# Altium PCB 峰值检测.PcbDoc
Units mm, origin at the board's own origin, x right, y up, seen from the top; angles counter-clockwise.
Board outline 44 x 39 mm, 2 copper layers (Top Layer, Bottom Layer); 18 components, 10 nets, 46 pads, 5 vias.
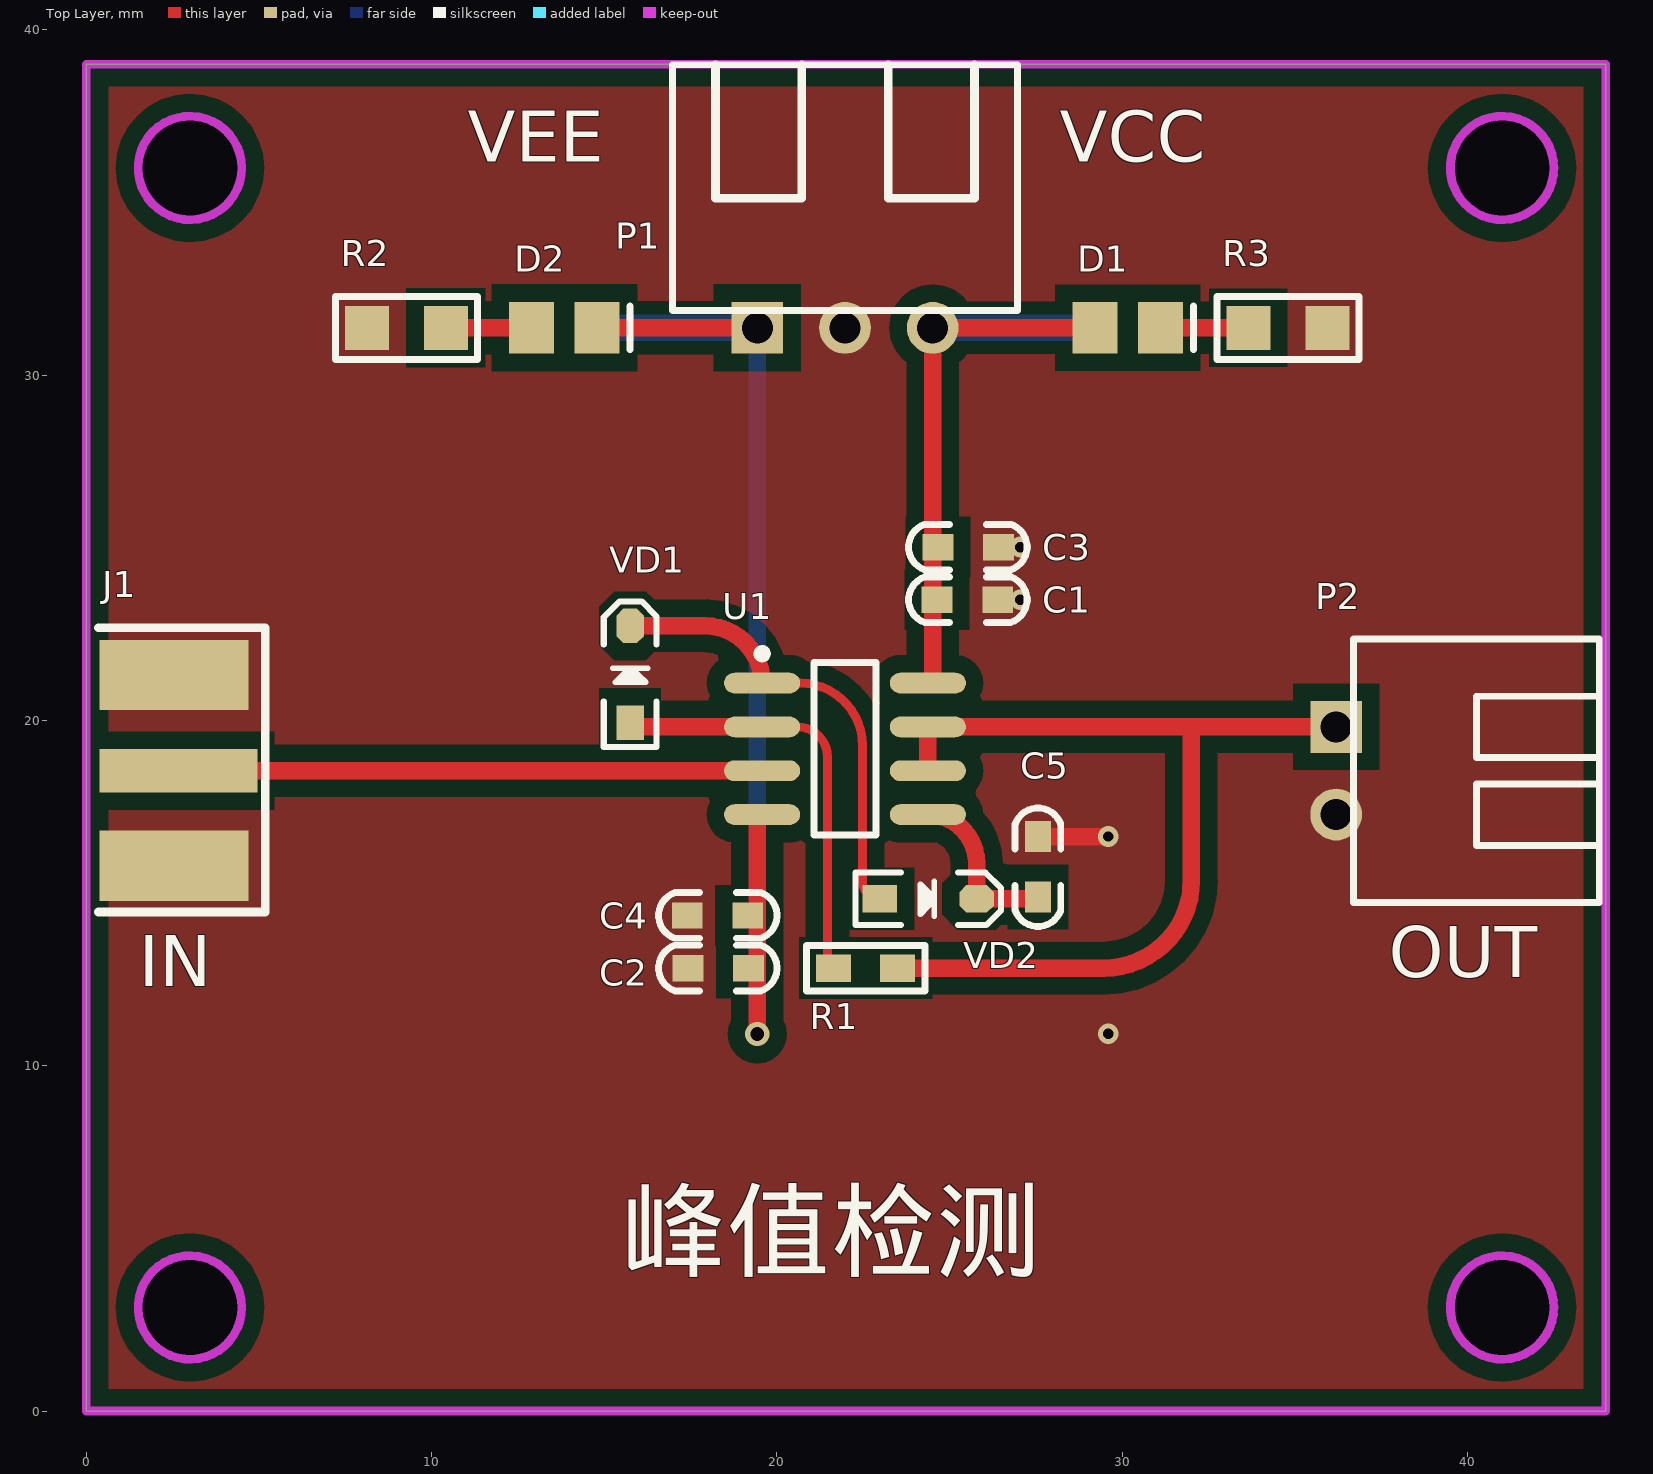
[diagram p0: Top Layer view]
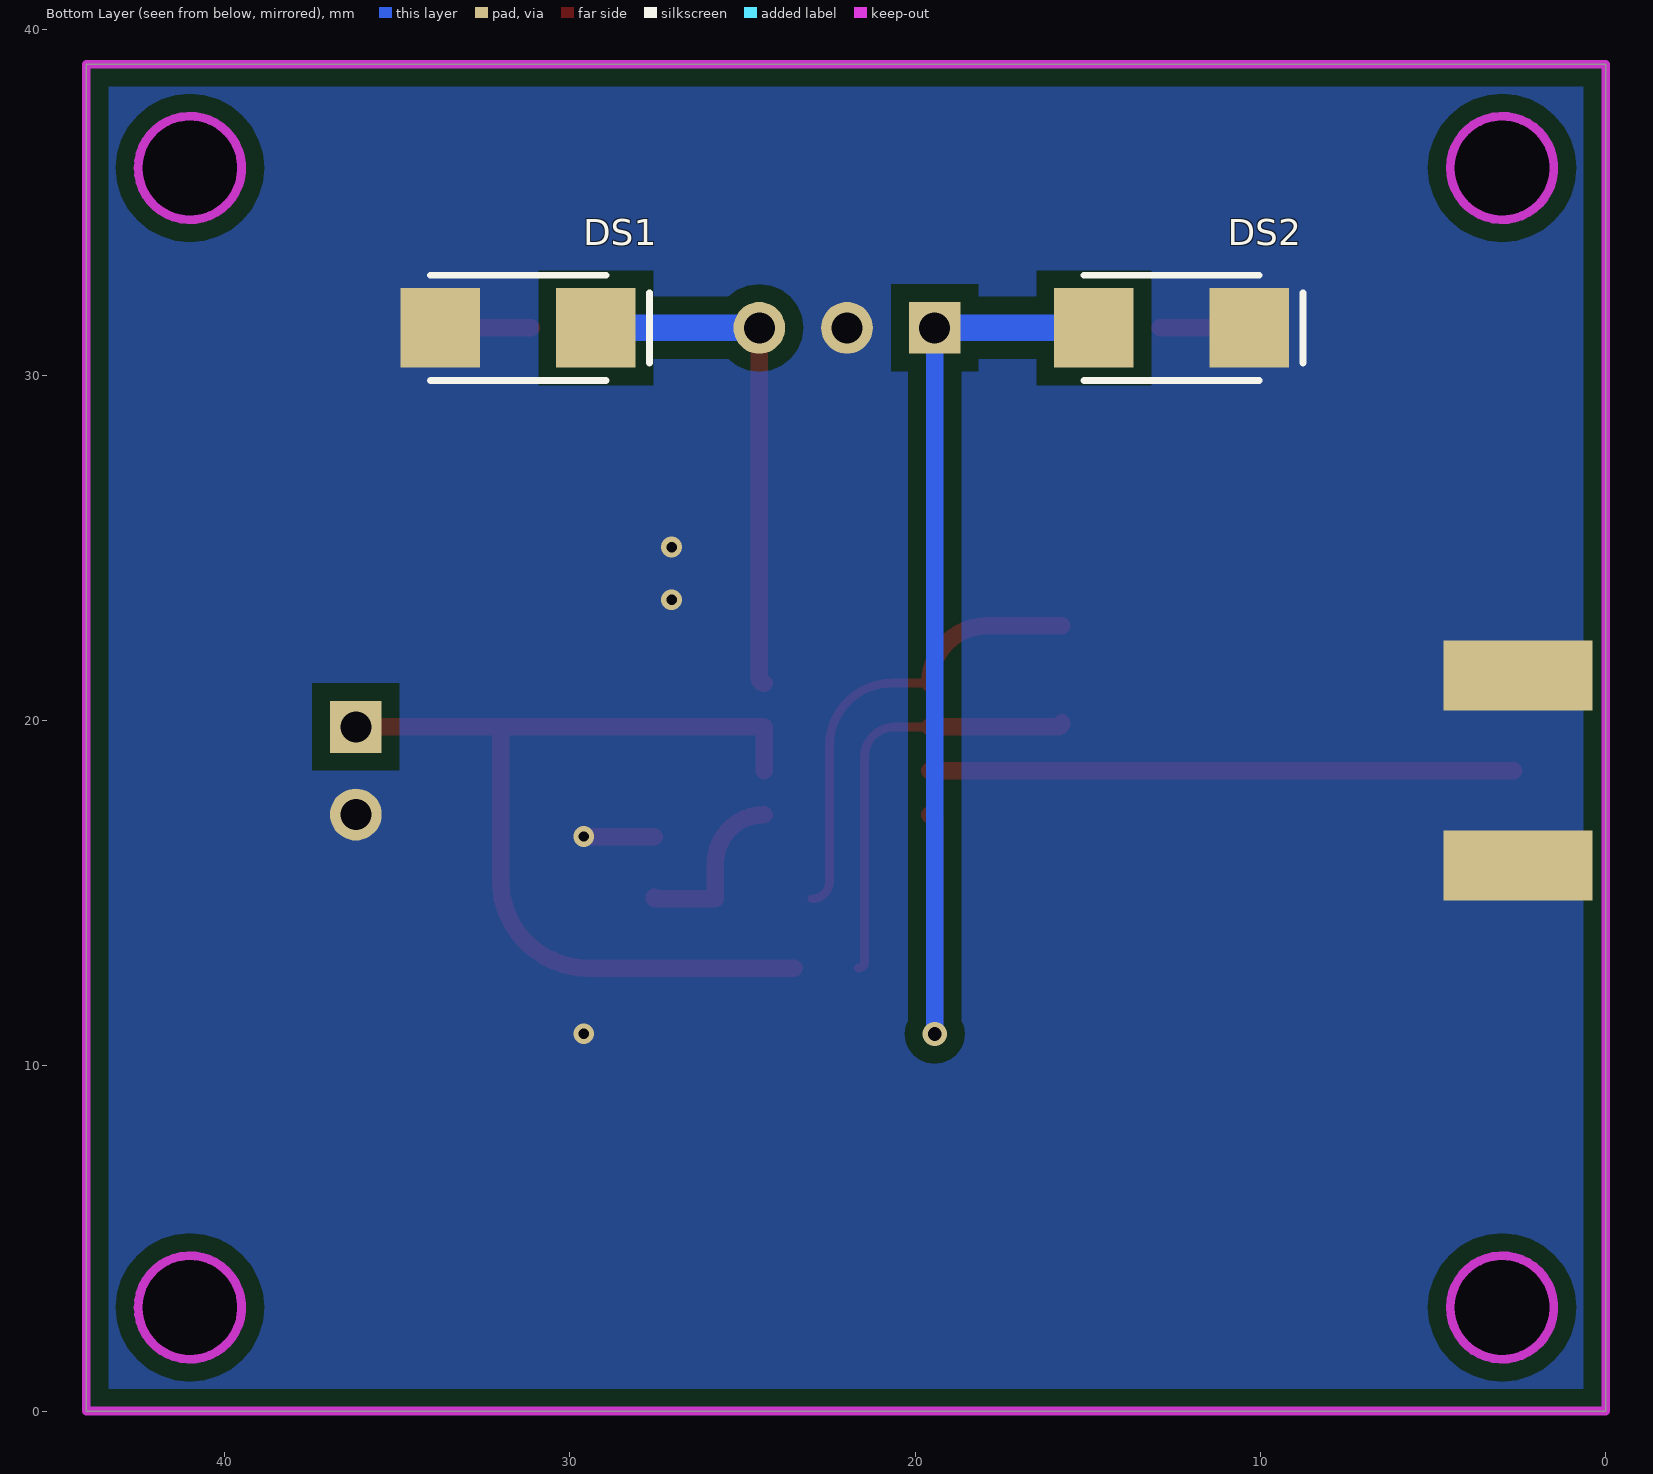
[diagram p1: Bottom Layer view, seen from below]
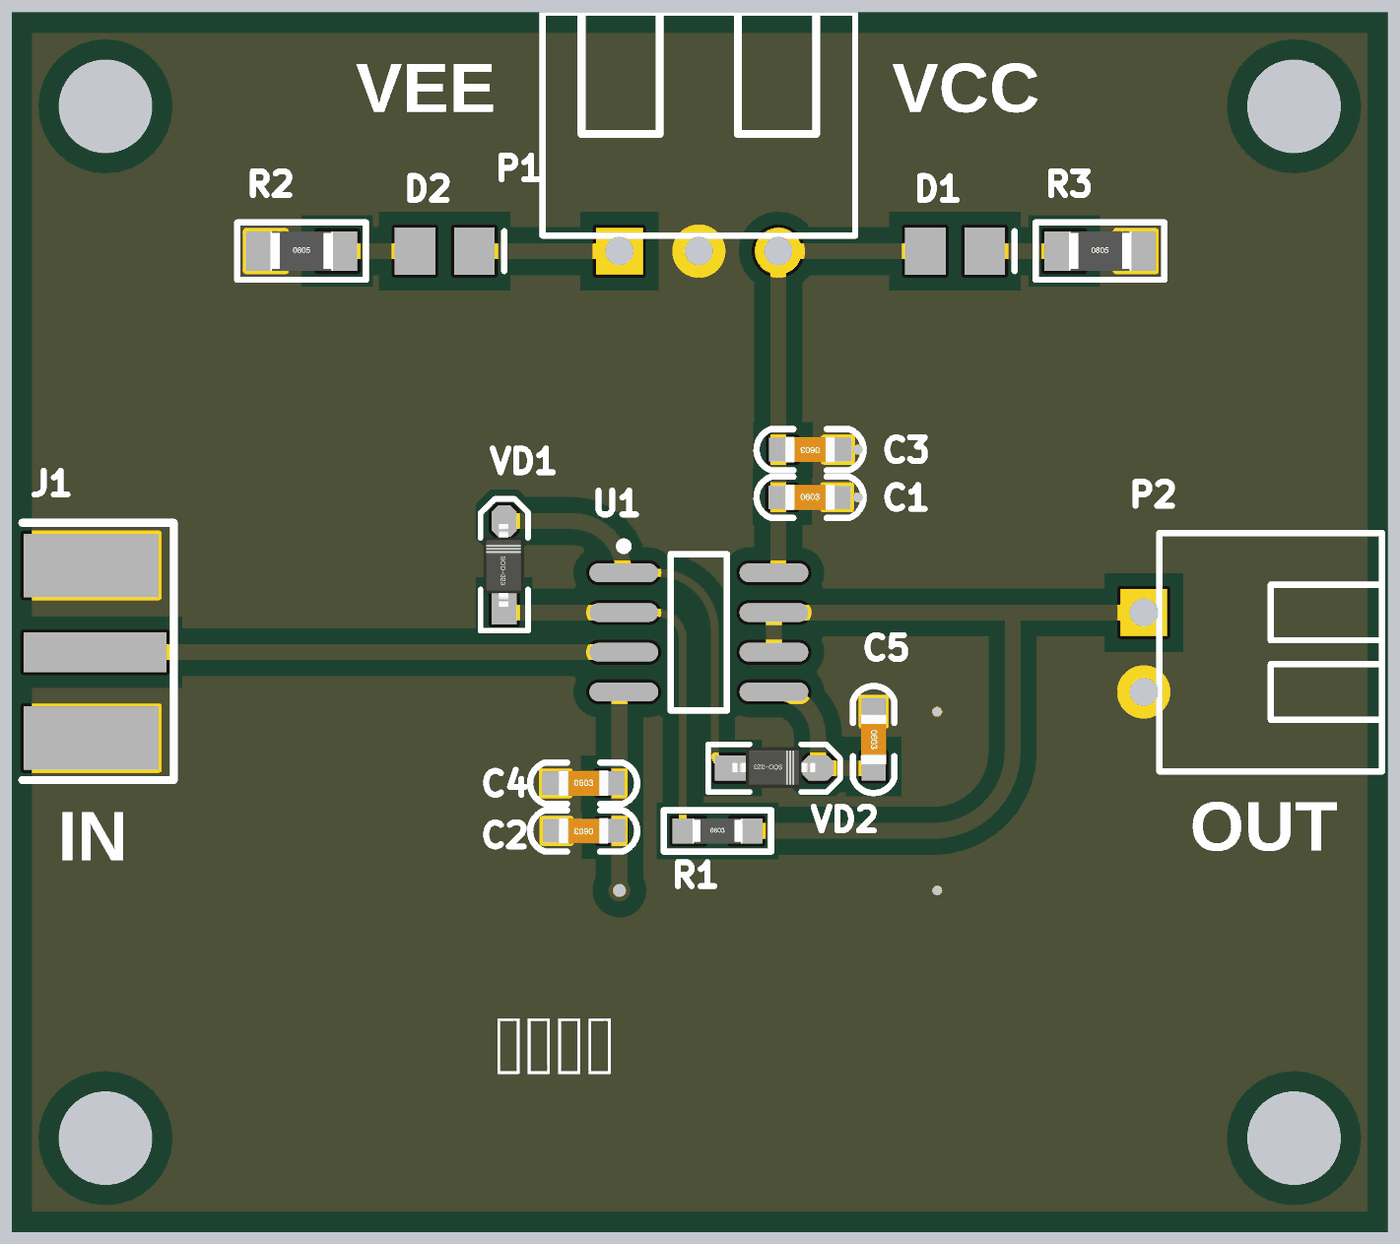
[diagram p2: 3D render of the assembled board from above, using the file's embedded part models]

## Layer stack, top to bottom
Top Solder: solder mask 0.0102, Solder Resist, Dk 3.5
Top Layer: signal copper 0.0356
Dielectric 1: dielectric 0.32, FR-4, Dk 4.8
Bottom Layer: signal copper 0.0356
Bottom Solder: solder mask 0.0102, Solder Resist, Dk 3.5

## Board outline
0,0 44,0 44,39 0,39
cut-out: 39.5,36 ccw(c41,36) 41,34.5 ccw(c41,36) 42.5,36 ccw(c41,36) 41,37.5 ccw(c41,36)
cut-out: 3,34.5 cw(c3,36) 1.5,36 cw(c3,36) 3,37.5 cw(c3,36) 4.5,36 cw(c3,36)
cut-out: 39.5,3 ccw(c41,3) 41,1.5 ccw(c41,3) 42.5,3 ccw(c41,3) 41,4.5 ccw(c41,3)
cut-out: 3,1.5 cw(c3,3) 1.5,3 cw(c3,3) 3,4.5 cw(c3,3) 4.5,3 cw(c3,3)

## Design rules (kind name [scope] priority, off if disabled: settings)
Clearance [All] p1: gap=0.254 ignorepadtopadclearanceinfootprint=FALSE except(0: Arc-Hole Track-Hole SMDPad-Hole THPad-Hole Via-Hole Fill-Hole Poly-Text Poly-Hole Region-Hole Text-Hole; 0.508: Arc-Poly Track-Poly SMDPad-Poly THPad-Poly Via-Poly Fill-Poly Poly-Poly)
PolygonConnect [All] p1: connectstyle=Direct reliefconductorwidth=0.254 reliefentries=4 polygonreliefangle="90 Angle" airgapwidth=0.254
RoutingVias [All] p1: holewidth=0.711 width=1.524 viastyle="Through Hole" minholewidth=0.3 minwidth=0.6 maxholewidth=0.711 maxwidth=1.778
ShortCircuit [All] p1: allowed=TRUE
SilkToSilkClearance [All] p1: silktosilkclearance=0
SilkToSolderMaskClearance [IsPad] p1: minsilkscreentomaskgap=0 clearancetoexposedcopper=TRUE
SolderMaskExpansion [All] p1: expansion=0.102
Width [All] p1: maxlimit=2.54 minlimit=0.025 preferedwidth=0.254
27 further rules are at their usual default settings.

## Components (designator, comment, footprint, x,y, rotation, side; value= is the part's Value field where it differs from the comment)
C1 "1UF" "C 0603" 25.527,23.495 r0 top
C2 "1UF" "C 0603" 18.288,12.827 r180 top
C3 "104" "C 0603" 25.527,25.019 r180 top
C4 "104" "C 0603" 18.288,14.351 r0 top
C5 "1nF" "C 0603" 27.559,15.748 r270 top
D1 "LED" LED_0805 30.16,31.369 r0 top
D2 "LED" LED_0805 13.843,31.369 r0 top
DS1 "D Schottky" DIODE-SMA 31.496,31.369 r180 bottom
DS2 "D Schottky" DIODE-SMA 12.573,31.369 r180 bottom
J1 "COAX" MCX5.08-5-H 2.667,18.542 r0 top
P1 "Header 3" HDR3X1_B2 21.971,31.369 r0 top
P2 "Header 2" HDR2X1_B2 36.195,19.812 r270 top
R1 "1K" "R 0603" 22.568,12.827 r0 top
R2 "1K" "R 0805" 9.271,31.369 r0 top
R3 "1K" "R 0805" 34.798,31.369 r0 top
U1 "OPA2228" SOIC8_N 21.971,19.177 r0 top
VD1 "1N4148" SOD-323 15.748,21.336 r90 top
VD2 "1N4148" SOD-323 24.381,14.834 r0 top

## Footprints (in the part's own frame and the unit in brackets; to place one, negate y for a bottom-side part, rotate by r counter-clockwise, add the part's x,y. Pads: shape width x height; smd on the part's side, far side on the other; paste and mask are expansions set on the pad)
"C 0603" [mil] "无极性贴片电容"
  rect 35x30 smd: 1(-35,0) 2(34,0)
  silkscreen extent -67,-26 67,26, body extent -31,-16 31,16, height 32
DIODE-SMA [mm] "贴片二极管"
  rect 2.3x2.3 smd: 1(-2.25,0) 2(2.25,0)
  silkscreen extent -2.54,-1.52 3.81,1.52, body extent -2.92,-1.4 2.92,1.4, height 3
HDR2X1_B2 [mm] "Connector; Header; 4 Position"
  rect 1.5x1.5 hole 0.9: 1(0,0)
  round 1.5 hole 0.9: 2(2.54,0)
  silkscreen extent -2.54,0.5 5.08,7.62, body extent -2.54,0.38 5.08,7.62, height 5.5
HDR3X1_B2 [mm] "Connector; Header; 3 Position"
  rect 1.5x1.5 hole 0.9: 1(-2.54,0)
  round 1.5 hole 0.9: 2(0,0) 3(2.54,0)
  silkscreen extent -5,0.5 5,7.62, body extent -5,0.5 5,7.62, height 6
LED_0805 [mm] "贴片二极管"
  rect 1.3x1.5 smd: 1(-0.95,0) 2(0.95,0)
  silkscreen extent 1.91,-0.64 1.91,0.64
MCX5.08-5-H [mil]
  rect 180x50 smd: 1(0,0)
  rect 170x80 smd: 2(-5,109.25) 5(-5,-108.27)
  rect 170x80 smd far side: 3(-5,108.66) 4(-5,-107.87)
  silkscreen extent -92,-161 99,163, body extent -93,-132 80,134, height 39
"R 0603" [mil] "1/10W贴片电阻"
  rect 40x31.5 smd: 1(-36.5,0) 2(36.5,0)
  silkscreen extent -68,-26 68,26, body extent -31,-16 32,16, height 16
"R 0805" [mil] "1/8W贴片电阻"
  rect 50x50 smd: 1(-45,0) 2(45,0)
  silkscreen extent -81,-36 81,36, body extent -39,-25 39,25, height 20
SOD-323 [mm] "1.8x1.3X0.9mm（长宽高，不包括引脚）"
  rect 1x0.8 smd: 1(-1.4,0)
  oct 1x0.8 smd: 2(1.4,0)
  silkscreen extent -2.11,-0.76 2.11,0.76, body extent -1.34,-0.63 1.31,0.67, height 1
SOIC8_N [mm] "8-Pin Small Outline Integrated Circuit Package (SOIC8), IPC Medium Density"
  oval 2.2x0.6 smd: 1(-2.4,1.905) 2(-2.4,0.635) 3(-2.4,-0.635) 4(-2.4,-1.905) 5(2.4,-1.905) 6(2.4,-0.635) 7(2.4,0.635) 8(2.4,1.905)
  silkscreen extent -2.52,-2.5 0.9,2.88, body extent -1.95,-2.45 1.95,2.45, height 1.75

## Part data
C1 C2 C3 C4 C5: library part C, "无极性贴片电容"
D1 D2: "发光二极管", LatestRevisionDate=08-Jul-2005, LatestRevisionNote="Mech Layer 1 removed.", PackageReference=LED, Published=8-Jun-2000, Publisher="Altium Limited"
DS1 DS2: "Schottky Diode", Code_JEDEC=DO-214-AA, LatestRevisionDate=17-Jul-2002, LatestRevisionNote="Re-released for DXP Platform.", PackageDescription="DO-214-AA/SMB; 2 C-Bend Leads; Body 5.3 x 3.6 mm, inc. leads (LxW)", PackageReference=SMB, Published=8-Jun-2000, Publisher="Altium Limited"
P1 P2: "接插件", LatestRevisionDate=17-Jul-2002, LatestRevisionNote="Re-released for DXP Platform.", Publisher="Altium Limited"
R1 R2 R3: library part R, "贴片电阻"
U1: "高精度低噪声运算放大器"
VD1 VD2: "高速开关二极管"

## Via types
v1: diameter 0.6, hole 0.3, Top Layer to Bottom Layer, tented both sides, 4 vias
v2: diameter 0.7, hole 0.4, Top Layer to Bottom Layer, tented both sides, 1 vias

## Nets (pads, with @x,y where several pads share a name; then routed paths per layer and width w, separated by ;. In a path a pad name is that pad's centre, name@x,y a point inside that pad or via, vN(x,y) a via of type N, cw(c..) or ccw(c..) an arc to the next point about the centre after c; other vN are vias at no path point)
GND: C1.2 C2.2 C3.1 C4.1 C5.1 DS1.1 DS2.2 J1.2 J1.3 J1.4 J1.5 P1.2 P2.2 R2.1 R3.2 | length 2
  Top Layer w0.508: C5.1 v1(29.591,16.637)
  other v1: 29.591,10.922 27.051,23.495 27.051,25.019
NetC5_2: C5.2 U1.5 VD2.2 | length 5.1
  Top Layer w0.508: U1.5 cw(c24.371,15.862) 25.781,15.862 VD2.2 27.508,14.834 ccw(c27.508,14.884) C5.2
NetD1_2: D1.2 R3.1 | length 2.5
  Top Layer w0.508: D1.2 R3.1
NetD2_1: D2.1 R2.2 | length 2.5
  Top Layer w0.508: R2.2 D2.1
NetJ1_1: J1.1 U1.3 | length 16.9
  Top Layer w0.508: J1.1 U1.3
NetP2_1: P2.1 R1.2 U1.6 U1.7 | length 27.5
  Top Layer w0.508: R1.2 29.464,12.827 ccw(c29.464,15.367) 32.004,15.367 32.004,19.812 ; U1.6 U1.7 32.004,19.812 ; P2.1 32.004,19.812
NetR1_1: R1.1 U1.2 VD1.1 | length 12.5
  Top Layer w0.254: U1.2 20.596,19.812 cw(c20.596,18.945) 21.463,18.945 21.463,13.005 ccw(c21.641,13.005) R1.1
  Top Layer w0.508: VD1.1 ccw(c15.872,19.936) 15.872,19.812 U1.2
NetU1_1: U1.1 VD1.2 VD2.1 | length 13.4
  Top Layer w0.254: U1.1 20.664,21.082 cw(c20.664,19.267) 22.479,19.267 22.479,15.336 ccw(c22.981,15.336) VD2.1
  Top Layer w0.508: VD1.2 17.917,22.736 cw(c17.917,21.082) U1.1
VCC: C1.1 C3.2 D1.1 DS1.2 P1.3 U1.8 | length 19.8
  Top Layer w0.508: U1.8 ccw(c24.371,21.222) 24.511,21.222 P1.3 D1.1
  Bottom Layer w0.762: P1.3 DS1.2
VEE: C2.1 C4.2 D2.2 DS2.1 P1.1 U1.4 | length 36.1
  Top Layer w0.508: D2.2 P1.1 ; v2(19.431,10.922) 19.431,17.132 cw(c19.571,17.132) U1.4
  Bottom Layer w0.508: v2(19.431,10.922) P1.1
  Bottom Layer w0.762: DS2.1 P1.1

## Polygon pours and split planes (outlines as drawn)
GND on Bottom Layer "Top Layer-No Net1" (solid, remove dead copper, pour order 1): 0,0 44,0 44,39 0,39
GND on Top Layer "Top Layer-No Net" (solid, remove dead copper, pour order 0): 0,0 44,0 44,39 0,39

## Keep-outs
Keep-Out Layer:
  circle w0.254: c3,3 r1.5
  circle w0.254: c41,3 r1.5
  circle w0.254: c41,36 r1.5
  circle w0.254: c3,36 r1.5
  lines w0.254: 0,0 0,39 44,39 44,0 0,0

## Silkscreen, mask and mechanical layers (free items; w line width, h text height)
Top Overlay:
  text "VEE" at 11.049,35.687 h2.54
  text "VCC" at 28.194,35.687 h2.54
  text "OUT" at 37.719,12.065 h2.54
  text "IN" at 1.524,11.811 h2.54
  text "峰值检测" at 15.494,3.429 h3.81